# Altium PCB PCB2.PcbDoc (part 5 of 5)
Units mm, origin at the board's own origin, x right, y up, seen from the top; angles counter-clockwise.
Board outline 100 x 100 mm, 4 copper layers (Top Layer, Int1 (GND), Int2 (PWR), Bottom Layer), stack 1.605 mm thick; 304 components, 271 nets, 993 pads, 338 vias.
Unrouted connection lines stored in the file: 123.
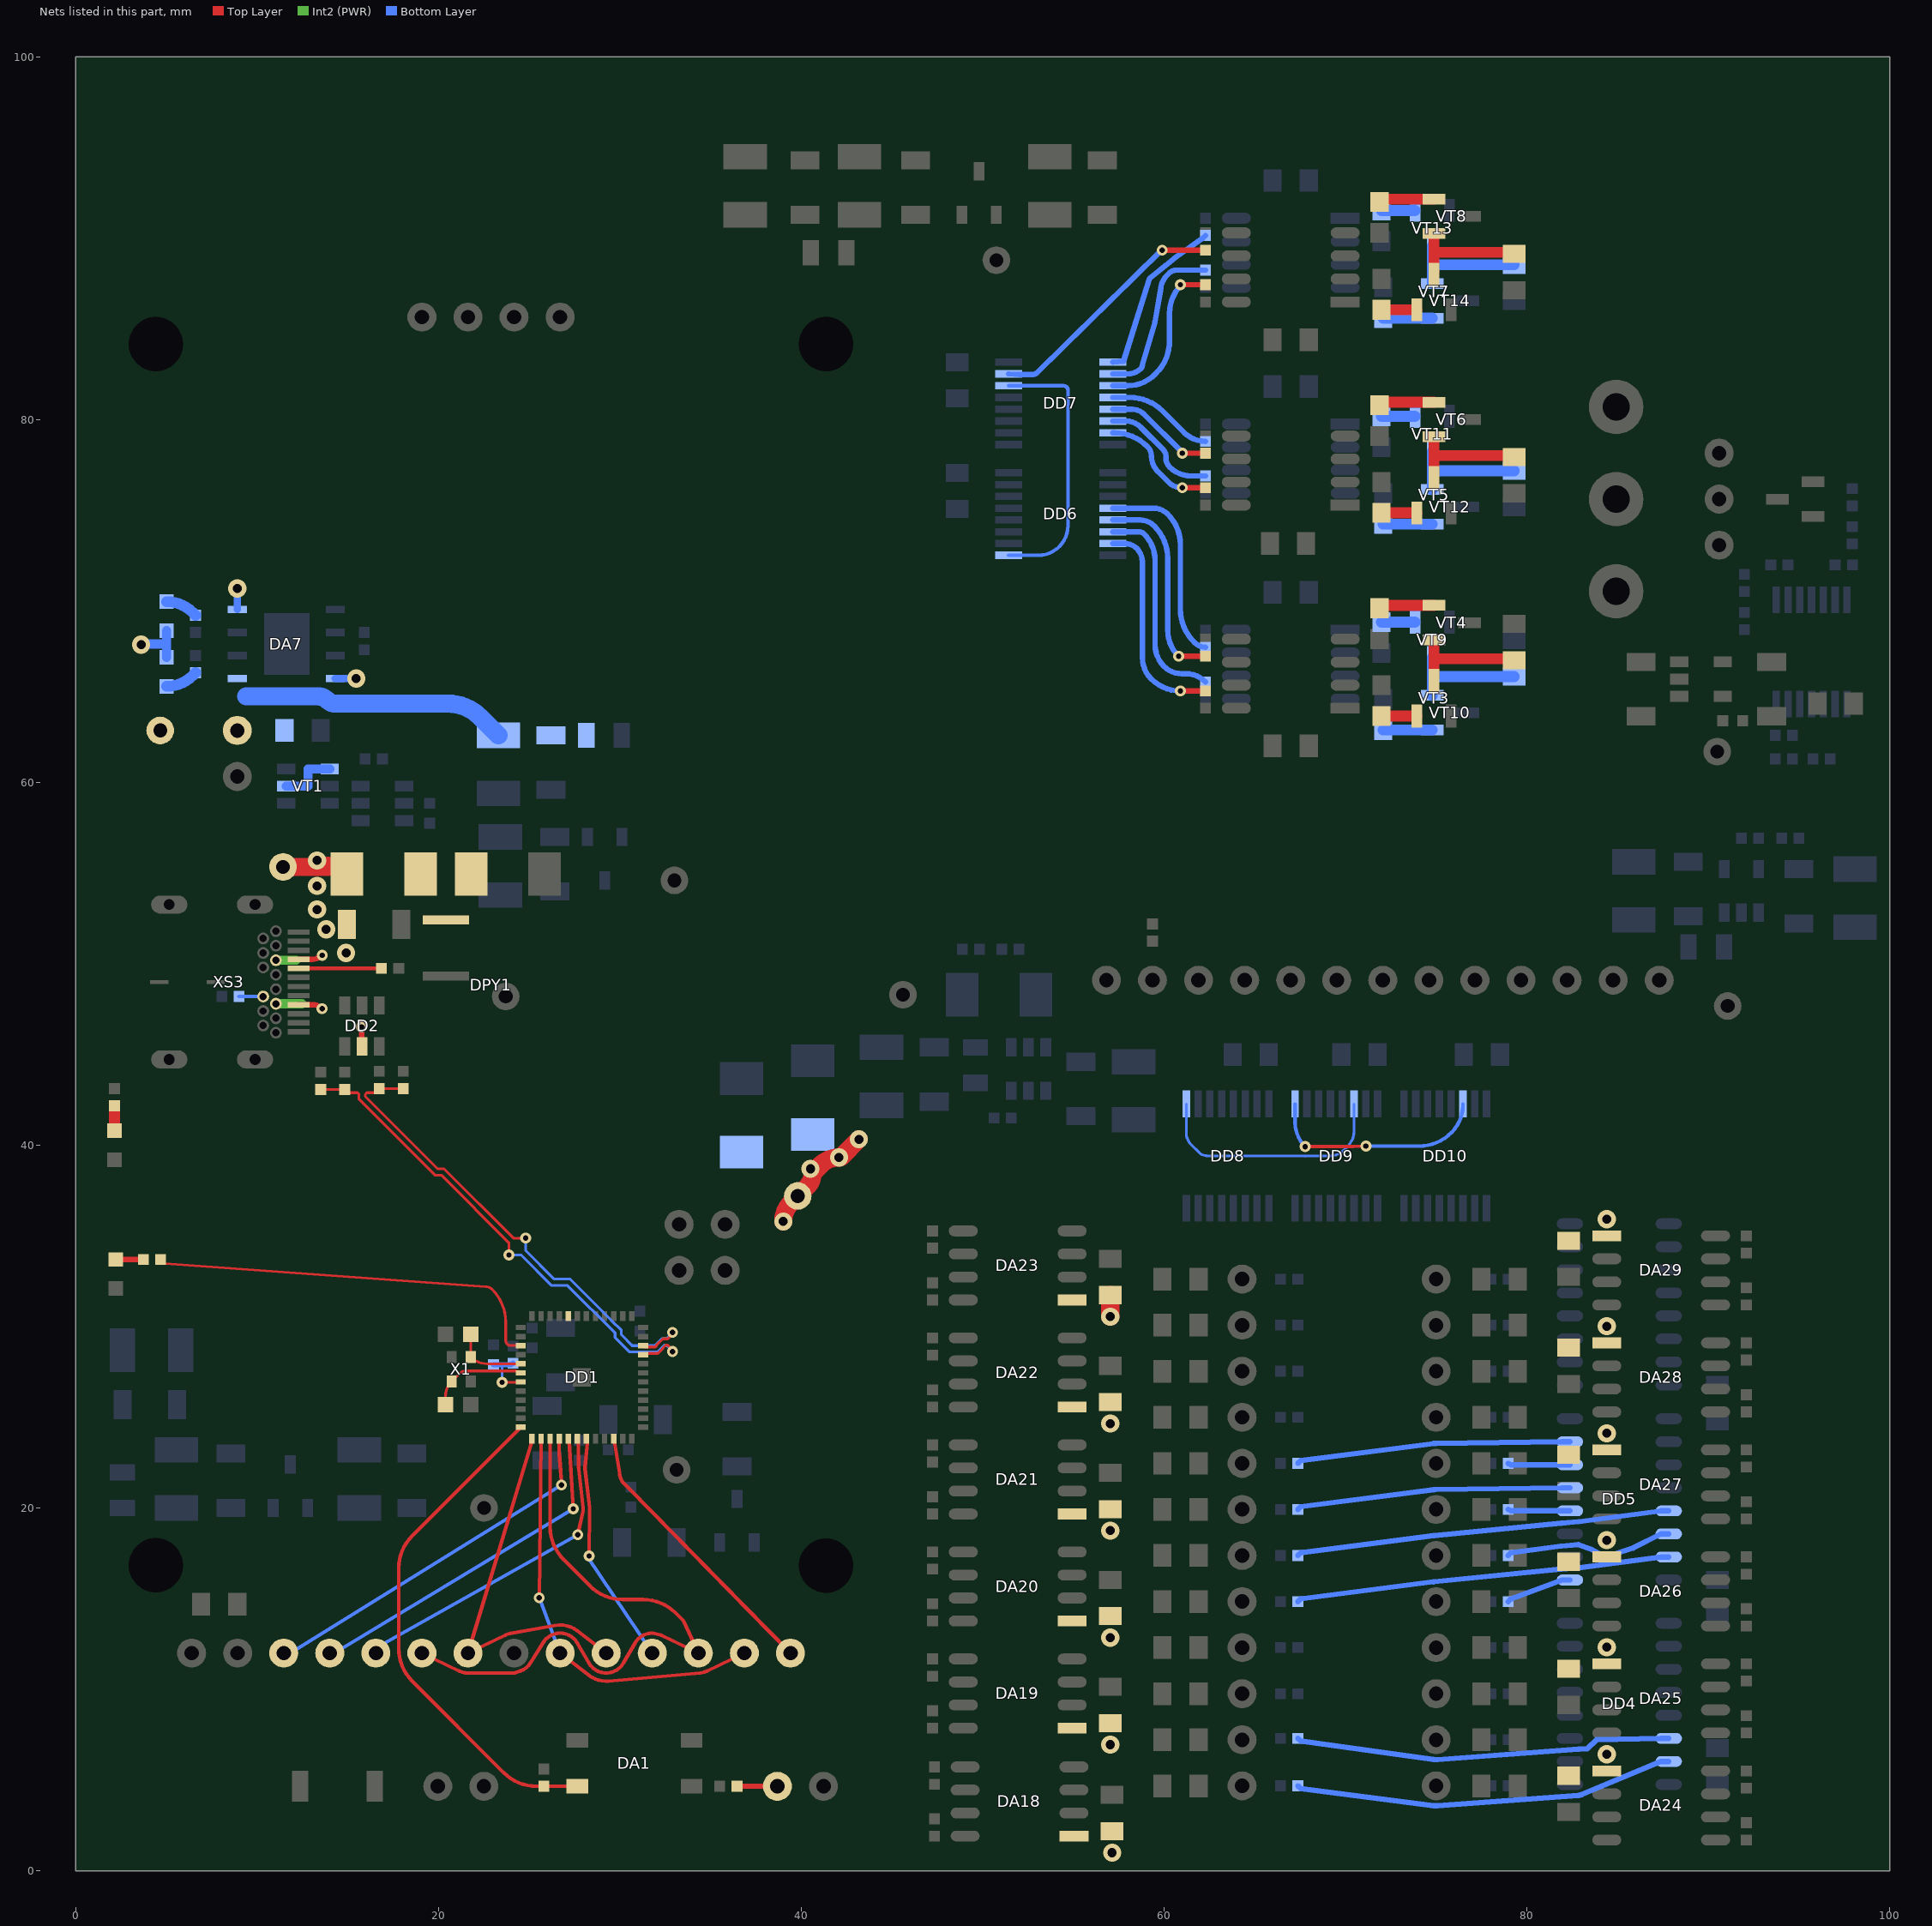
[diagram p7: the nets of this part, all layers, seen from the top]

## Via types
v1: diameter 1, hole 0.5, Top Layer to Bottom Layer, 163 vias
v2: diameter 0.6, hole 0.3, Top Layer to Bottom Layer, tented both sides, 102 vias
v3: diameter 0.8, hole 0.4, Top Layer to Bottom Layer, tented both sides, 73 vias

## Nets (pads, with @x,y where several pads share a name; then routed paths per layer and width w, separated by ;. In a path a pad name is that pad's centre, name@x,y a point inside that pad or via, vN(x,y) a via of type N, cw(c..) or ccw(c..) an arc to the next point about the centre after c; other vN are vias at no path point) (continued)
NetDD4_14: DD4.14 R58.2 | length 22.7
  Bottom Layer w0.3: R58.2@67.375,7.3 67.525,7.15 74.848,6.13 ; DD4.14@87.825,7.295 87.4,7.295 83.838,7.217 83.317,6.719 82.844,6.697 ; 74.848,6.131 ccw(c75,7.22) 75.081,6.123 ; 74.848,6.131 ccw(c75,7.22) 75.081,6.123 ; 74.848,6.131 ccw(c75,7.22) 75.081,6.123 ; 74.848,6.131 ccw(c75,7.22) 75.081,6.123 ; 74.848,6.131 ccw(c75,7.22) 75.081,6.123 ; 74.848,6.131 ccw(c75,7.22) 75.081,6.123 ; 74.848,6.131 ccw(c75,7.22) 75.081,6.123 ; 74.848,6.131 ccw(c75,7.22) 75.081,6.123 ; 75.081,6.123 82.844,6.697 ; 82.844,6.697 ccw(c82.8,7.295) 82.878,6.7 ; 82.844,6.697 ccw(c82.8,7.295) 82.878,6.7 ; 82.844,6.697 ccw(c82.8,7.295) 82.878,6.7 ; 82.844,6.697 ccw(c82.8,7.295) 82.878,6.7 ; 82.844,6.697 ccw(c82.8,7.295) 82.878,6.7 ; 82.844,6.697 ccw(c82.8,7.295) 82.878,6.7 ; 82.844,6.697 ccw(c82.8,7.295) 82.878,6.7 ; 82.844,6.697 ccw(c82.8,7.295) 82.878,6.7
NetDD4_15: DD4.15 R59.2 | length 23.9
  Bottom Layer w0.3: R59.2@67.375,4.68 67.525,4.53 74.86,3.589 ; DD4.15@87.825,6.025 87.4,6.025 83.031,4.201 ; 74.86,3.589 ccw(c75,4.68) 75.081,3.583 ; 74.86,3.589 ccw(c75,4.68) 75.081,3.583 ; 74.86,3.589 ccw(c75,4.68) 75.081,3.583 ; 74.86,3.589 ccw(c75,4.68) 75.081,3.583 ; 74.86,3.589 ccw(c75,4.68) 75.081,3.583 ; 74.86,3.589 ccw(c75,4.68) 75.081,3.583 ; 74.86,3.589 ccw(c75,4.68) 75.081,3.583 ; 74.86,3.589 ccw(c75,4.68) 75.081,3.583 ; 75.081,3.583 82.844,4.157 ; 82.844,4.157 ccw(c82.8,4.755) 83.031,4.201 ; 82.844,4.157 ccw(c82.8,4.755) 83.031,4.201 ; 82.844,4.157 ccw(c82.8,4.755) 83.031,4.201 ; 82.844,4.157 ccw(c82.8,4.755) 83.031,4.201 ; 82.844,4.157 ccw(c82.8,4.755) 83.031,4.201 ; 82.844,4.157 ccw(c82.8,4.755) 83.031,4.201 ; 82.844,4.157 ccw(c82.8,4.755) 83.031,4.201 ; 82.844,4.157 ccw(c82.8,4.755) 83.031,4.201
NetDD5_1: DD5.1 R64.2 | length 3.6
  Bottom Layer w0.3: R64.2@78.975,14.84 79.125,14.99 81.95,16.03 DD5.1@82.375,16.03
NetDD5_4: DD5.4 R66.2 | length 3.4
  Bottom Layer w0.3: R66.2@78.975,19.92 79.125,19.84 DD5.4@82.375,19.84
NetDD5_5: DD5.5 R53.2 | length 16
  Bottom Layer w0.3: R53.2@67.375,19.92 67.525,20.07 74.86,21.011 ; DD5.5@82.375,21.11 81.95,21.11 74.986,21.02 ; 74.86,21.011 cw(c75,19.92) 74.986,21.02 ; 74.86,21.011 cw(c75,19.92) 74.986,21.02 ; 74.86,21.011 cw(c75,19.92) 74.986,21.02 ; 74.86,21.011 cw(c75,19.92) 74.986,21.02 ; 74.86,21.011 cw(c75,19.92) 74.986,21.02 ; 74.86,21.011 cw(c75,19.92) 74.986,21.02 ; 74.86,21.011 cw(c75,19.92) 74.986,21.02 ; 74.86,21.011 cw(c75,19.92) 74.986,21.02
NetDD5_6: DD5.6 R67.2 | length 3.4
  Bottom Layer w0.3: R67.2@78.975,22.46 79.125,22.38 DD5.6@82.375,22.38
NetDD5_7: DD5.7 R52.2 | length 16
  Bottom Layer w0.3: R52.2@67.375,22.46 67.525,22.61 74.86,23.551 ; DD5.7@82.375,23.65 81.95,23.65 74.986,23.56 ; 74.86,23.551 cw(c75,22.46) 74.986,23.56 ; 74.86,23.551 cw(c75,22.46) 74.986,23.56 ; 74.86,23.551 cw(c75,22.46) 74.986,23.56 ; 74.86,23.551 cw(c75,22.46) 74.986,23.56 ; 74.86,23.551 cw(c75,22.46) 74.986,23.56 ; 74.86,23.551 cw(c75,22.46) 74.986,23.56 ; 74.86,23.551 cw(c75,22.46) 74.986,23.56 ; 74.86,23.551 cw(c75,22.46) 74.986,23.56
NetDD5_13: DD5.13 R54.2 | length 20.9
  Bottom Layer w0.3: R54.2@67.375,17.38 67.525,17.53 74.86,18.471 cw(c75,17.38) 74.892,18.475 81.891,19.167 cw(c81.95,18.57) 81.903,19.168 82.847,19.242 ; DD5.13@87.825,19.84 87.4,19.84 82.878,19.245 ; 82.847,19.242 ccw(c82.8,19.84) 82.878,19.245 ; 82.847,19.242 ccw(c82.8,19.84) 82.878,19.245 ; 82.847,19.242 ccw(c82.8,19.84) 82.878,19.245 ; 82.847,19.242 ccw(c82.8,19.84) 82.878,19.245 ; 82.847,19.242 ccw(c82.8,19.84) 82.878,19.245 ; 82.847,19.242 ccw(c82.8,19.84) 82.878,19.245 ; 82.847,19.242 ccw(c82.8,19.84) 82.878,19.245 ; 82.847,19.242 ccw(c82.8,19.84) 82.878,19.245
NetDD5_14: DD5.14 R65.2 | length 9.3
  Bottom Layer w0.3: R65.2@78.975,17.38 79.125,17.53 81.871,17.895 cw(c81.95,17.3) 81.903,17.898 82.848,17.972 83.524,17.734 83.979,17.476 84.285,17.409 84.73,17.424 85.867,17.797 87.4,18.57 DD5.14@87.825,18.57
NetDD5_15: DD5.15 R55.2 | length 20.9
  Bottom Layer w0.3: R55.2@67.375,14.84 67.525,14.99 74.86,15.931 cw(c75,14.84) 74.892,15.935 81.891,16.627 cw(c81.95,16.03) 81.904,16.628 82.847,16.702 ; DD5.15@87.825,17.3 87.4,17.3 82.878,16.705 ; 82.847,16.702 ccw(c82.8,17.3) 82.878,16.705 ; 82.847,16.702 ccw(c82.8,17.3) 82.878,16.705 ; 82.847,16.702 ccw(c82.8,17.3) 82.878,16.705 ; 82.847,16.702 ccw(c82.8,17.3) 82.878,16.705 ; 82.847,16.702 ccw(c82.8,17.3) 82.878,16.705 ; 82.847,16.702 ccw(c82.8,17.3) 82.878,16.705 ; 82.847,16.702 ccw(c82.8,17.3) 82.878,16.705 ; 82.847,16.702 ccw(c82.8,17.3) 82.878,16.705
NetDD6_9: DD6.9 DD7.14 | length 18.1
  Bottom Layer w0.2: DD6.9@51.425,72.525 53.06,72.525 ; DD7.14@51.425,81.875 54.454,81.875 ; 53.06,72.525 ccw(c53.06,74.165) 54.7,74.165 ; 53.06,72.525 ccw(c53.06,74.165) 54.7,74.165 ; 54.454,81.875 cw(c54.454,81.629) 54.7,81.629 ; 54.454,81.875 cw(c54.454,81.629) 54.7,81.629 ; 54.7,74.165 54.7,81.629
NetDD8_9: DD8.9 DD9.14 | length 23.3
  Bottom Layer w0.15: DD8.9@61.225,42.275 61.225,40.654 ccw(c62.079,40.654) 61.475,40.05 61.941,39.584 ; 62.326,39.425 67.773,39.4 ccw(c67.775,39.925) 67.781,39.4 69.2,39.417 ccw(c69.2,40.364) 69.223,39.417 ccw(c69.2,40.364) 69.869,39.694 70.125,39.95 ; DD9.14@70.475,42.275 70.475,40.795 ; 61.941,39.584 ccw(c62.325,39.968) 62.325,39.425 ; 61.941,39.584 ccw(c62.325,39.968) 62.325,39.425 ; 61.941,39.584 ccw(c62.325,39.968) 62.325,39.425 ; 61.941,39.584 ccw(c62.325,39.968) 62.325,39.425 ; 61.941,39.584 ccw(c62.325,39.968) 62.325,39.425 ; 61.941,39.584 ccw(c62.325,39.968) 62.325,39.425 ; 61.941,39.584 ccw(c62.325,39.968) 62.325,39.425 ; 61.941,39.584 ccw(c62.325,39.968) 62.325,39.425 ; 70.125,39.95 ccw(c69.28,40.795) 70.475,40.795 ; 70.125,39.95 ccw(c69.28,40.795) 70.475,40.795 ; 70.125,39.95 ccw(c69.28,40.795) 70.475,40.795 ; 70.125,39.95 ccw(c69.28,40.795) 70.475,40.795 ; 70.125,39.95 ccw(c69.28,40.795) 70.475,40.795 ; 70.125,39.95 ccw(c69.28,40.795) 70.475,40.795 ; 70.125,39.95 ccw(c69.28,40.795) 70.475,40.795 ; 70.125,39.95 ccw(c69.28,40.795) 70.475,40.795
NetDD9_9: DD9.9 DD10.14 | length 48.6
  Top Layer w0.2: v2(67.775,39.925) 70.43,39.925 ccw(c70.43,40.125) 70.438,39.925 v2(71.13,39.95)
  Bottom Layer w0.2: DD9.9@67.225,42.275 67.225,41.61 67.225,41.253 ; v2(71.13,39.95) 74.048,39.95 ; DD10.14@76.475,42.275 DD10.14@76.475,42.217 ; 67.225,41.253 ccw(c69.103,41.253) v2@67.775,39.925 ; 67.225,41.253 ccw(c69.103,41.253) v2@67.775,39.925 ; 67.225,41.253 ccw(c69.103,41.253) v2@67.775,39.925 ; 67.225,41.253 ccw(c69.103,41.253) v2@67.775,39.925 ; 67.225,41.253 ccw(c69.103,41.253) v2@67.775,39.925 ; 67.225,41.253 ccw(c69.103,41.253) v2@67.775,39.925 ; 67.225,41.253 ccw(c69.103,41.253) v2@67.775,39.925 ; 67.225,41.253 ccw(c69.103,41.253) v2@67.775,39.925 ; 74.048,39.95 ccw(c74.048,42.49) 75.844,40.694 ; 74.048,39.95 ccw(c74.048,42.49) 75.844,40.694 ; 74.048,39.95 ccw(c74.048,42.49) 75.844,40.694 ; 74.048,39.95 ccw(c74.048,42.49) 75.844,40.694 ; 74.048,39.95 ccw(c74.048,42.49) 75.844,40.694 ; 74.048,39.95 ccw(c74.048,42.49) 75.844,40.694 ; 74.048,39.95 ccw(c74.048,42.49) 75.844,40.694 ; 74.048,39.95 ccw(c74.048,42.49) 75.844,40.694 ; 75.844,40.694 ccw(c74.32,42.217) DD10.14@76.475,42.217 ; 75.844,40.694 ccw(c74.32,42.217) DD10.14@76.475,42.217 ; 75.844,40.694 ccw(c74.32,42.217) DD10.14@76.475,42.217 ; 75.844,40.694 ccw(c74.32,42.217) DD10.14@76.475,42.217 ; 75.844,40.694 ccw(c74.32,42.217) DD10.14@76.475,42.217 ; 75.844,40.694 ccw(c74.32,42.217) DD10.14@76.475,42.217 ; 75.844,40.694 ccw(c74.32,42.217) DD10.14@76.475,42.217 ; 75.844,40.694 ccw(c74.32,42.217) DD10.14@76.475,42.217
NetFU1_1: FU1.1 VD4.2 VD5.2
NetHL1_2: HL1.2 R4.2 | length 1.5
  Top Layer w0.3: HL1.2@2.2,33.7 2.45,33.7 R4.2@3.725,33.7
NetHL2_2: HL2.2 R5.1 | length 1.8
  Bottom Layer w0.6: HL2.2@5,69.97 cw(c5,67.918) 6.451,69.369 R5.1@6.6,69.22
NetHL3_2: HL3.2 R6.1 | length 1.8
  Bottom Layer w0.6: HL3.2@5,65.3 ccw(c5,67.352) 6.451,65.901 R6.1@6.6,66.05
NetHL4_2: HL4.2 R21.2 | length 1.4
  Top Layer w0.6: HL4.2@2.125,40.8 R21.2@2.125,42.175
NetR2_2: R2.2 XS18.2 | length 2.2
  Top Layer w0.3: R2.2@36.45,4.655 XS18.2@38.68,4.655
NetR16_1: R16.1 XS3.B5 | length 1.3
  Bottom Layer w0.2: R16.1@9,48.2 XS3.B5@10.33,48.2
NetR18_1: R18.1 XS3.A5 | length 4.6
  Top Layer w0.2: XS3.A5@12.28,49.75 R18.1@16.85,49.75
NetR47_1: R47.1 VT3.1 | length 2
  Top Layer w0.6: R47.1@71.982,63.665 VT3.1@73.932,63.665
NetR88_1: R88.1 VT4.1 | length 3.1
  Top Layer w0.6: R88.1@71.882,69.605 72.082,69.765 VT4.1@74.882,69.765
NetR90_1: R90.1 VT5.1 | length 2
  Top Layer w0.6: R90.1@71.982,74.865 VT5.1@73.932,74.865
NetR92_1: R92.1 VT6.1 | length 3.1
  Top Layer w0.6: R92.1@71.882,80.805 72.082,80.965 VT6.1@74.882,80.965
NetR94_1: R94.1 VT7.1 | length 2
  Top Layer w0.6: R94.1@71.982,86.065 VT7.1@73.932,86.065
NetR96_1: R96.1 VT8.1 | length 3.1
  Top Layer w0.6: R96.1@71.882,92.005 72.082,92.165 VT8.1@74.882,92.165
NetR98_1: R98.1 VT9.1 | length 1.8
  Bottom Layer w0.6: R98.1@71.982,68.84 VT9.1@73.832,68.84
NetR100_1: R100.1 VT10.1 | length 2.7
  Bottom Layer w0.6: R100.1@72.082,62.9 VT10.1@74.782,62.9
NetR102_1: R102.1 VT11.1 | length 1.8
  Bottom Layer w0.6: R102.1@71.982,80.19 VT11.1@73.832,80.19
NetR104_1: R104.1 VT12.1 | length 2.7
  Bottom Layer w0.6: R104.1@72.082,74.25 VT12.1@74.782,74.25
NetR106_1: R106.1 VT13.1 | length 1.8
  Bottom Layer w0.6: R106.1@71.982,91.54 VT13.1@73.832,91.54
NetR108_1: R108.1 VT14.1 | length 2.7
  Bottom Layer w0.6: R108.1@72.082,85.6 VT14.1@74.782,85.6
NetVT1_2: VT1.2 VT1.4 | length 3.4
  Bottom Layer w0.5: VT1.2@11.6,59.8 12.8,59.8 12.8,60.75 VT1.4@14,60.75
OPT_IN: DA1.4 DD1.12 R1.2 | length 32.3
  Top Layer w0.2: DD1.12@24.525,24.45 18.544,18.469 ; DA1.4@27.65,4.655 R1.2@25.8,4.655 25.397,4.655 ; 17.8,16.673 cw(c20.34,16.673) 18.544,18.469 ; 17.8,16.673 cw(c20.34,16.673) 18.544,18.469 ; 17.8,16.673 17.8,12.252 ccw(c20.34,12.252) 18.544,10.456 23.601,5.399 ; 23.601,5.399 ccw(c25.397,7.195) 25.397,4.655 ; 23.601,5.399 ccw(c25.397,7.195) 25.397,4.655
PC13: DD1.3 R4.1 | length 24.9
  Top Layer w0.15: R4.1@4.675,33.7 4.9,33.475 22.6,32.2 cw(c22.6,31.717) 22.941,32.059 22.956,32.044 ; DD1.3@24.525,28.95 ccw(c24.496,28.921) 24.496,28.962 23.962,28.962 ; 22.956,32.044 cw(c21.16,30.248) 23.7,30.248 ; 22.956,32.044 cw(c21.16,30.248) 23.7,30.248 ; 23.7,29.235 ccw(c23.981,29.235) 23.782,29.037 ; 23.7,29.235 ccw(c23.981,29.235) 23.782,29.037 ; 23.7,29.235 23.7,30.248 ; 23.782,29.037 ccw(c23.962,29.217) 23.962,28.962 ; 23.782,29.037 ccw(c23.962,29.217) 23.962,28.962
PF0: C7.1 DD1.5 X1.3 | length 5.1
  Top Layer w0.15: C7.1@21.775,29.575 X1.3@21.775,28.325 ; DD1.5@24.525,27.95 22.68,27.95 ; X1.3@21.775,28.325 ccw(c22.68,29.23) 22.68,27.95 ; X1.3@21.775,28.325 ccw(c22.68,29.23) 22.68,27.95
PF1: C9.1 DD1.6 X1.1 | length 7
  Top Layer w0.15: C9.1@20.375,25.7 20.375,26.13 ; 20.375,26.13 cw(c21.57,26.13) X1.1@20.725,26.975 ; 20.375,26.13 cw(c21.57,26.13) X1.1@20.725,26.975 ; X1.1@20.725,26.975 21.176,27.426 ; 21.176,27.426 cw(c21.475,27.127) 21.475,27.55 ; 21.176,27.426 cw(c21.475,27.127) 21.475,27.55 ; 21.475,27.55 DD1.6@24.284,27.55 ; DD1.6@24.284,27.55 cw(c24.284,27.209) DD1.6@24.525,27.45 ccw(c24.284,27.209) DD1.6@24.284,27.55
R_HIN1: DD6.5 R87.2 | length 14.3
  Top Layer w0.3: v2(60.8,66.955) R87.2@62.282,66.955
  Bottom Layer w0.3: DD6.5@57.175,74.475 58.657,74.475 ; v2(60.8,66.955) cw(c62.249,68.404) 60.2,68.404 60.2,72.348 ; 58.657,74.475 cw(c58.657,73.345) 59.456,74.144 ; 58.657,74.475 cw(c58.657,73.345) 59.456,74.144 ; 59.456,74.144 cw(c57.66,72.348) 60.2,72.348 ; 59.456,74.144 cw(c57.66,72.348) 60.2,72.348
R_HIN2: DD7.5 R91.2 | length 6.8
  Top Layer w0.3: v2(61,78.155) R91.2@62.282,78.155
  Bottom Layer w0.3: DD7.5@57.175,80.575 58.236,80.575 ; v2(61,78.155) ccw(c60.891,78.155) 60.968,78.232 58.9,80.3 ; 58.236,80.575 cw(c58.236,79.636) 58.9,80.3 ; 58.236,80.575 cw(c58.236,79.636) 58.9,80.3
R_HIN3: DD7.15 R95.2 | length 13.6
  Top Layer w0.3: v2(59.9,89.355) R95.2@62.282,89.355
  Bottom Layer w0.3: DD7.15@51.425,82.525 52.015,82.5 52.777,82.5 ccw(c52.777,82.8) 52.988,82.586 v2@59.861,89.362
R_HIN4: DD6.6 R99.2 | length 17.4
  Bottom Layer w0.3: DD6.6@57.175,73.825 58.598,73.825 ; 58.598,73.825 cw(c58.598,73.398) 58.9,73.7 ; 58.598,73.825 cw(c58.598,73.398) 58.9,73.7 ; 58.9,73.7 cw(c57.451,72.251) 59.5,72.251 ; 58.9,73.7 cw(c57.451,72.251) 59.5,72.251 ; 59.5,67.607 ccw(c61.207,67.607) 60,66.4 ; 59.5,67.607 ccw(c61.207,67.607) 60,66.4 ; 59.5,67.607 59.5,72.251 ; 60,66.4 ccw(c60.966,67.366) 60.966,66 ; 60,66.4 ccw(c60.966,67.366) 60.966,66 ; 60.966,66 61.195,66 ; 61.195,66 cw(c61.195,64.464) R99.2@62.282,65.55 ccw(c61.195,64.464) 61.195,66
R_HIN5: DD7.6 R103.2 | length 8.4
  Bottom Layer w0.3: DD7.6@57.175,79.925 57.915,79.925 cw(c57.915,78.815) 58.7,79.6 59.959,78.341 cw(c59.617,78) 60.1,78 60.1,77.883 ; R103.2@62.282,76.9 61.507,76.9 ; 60.1,77.883 ccw(c60.783,77.883) 60.3,77.4 ; 60.1,77.883 ccw(c60.783,77.883) 60.3,77.4 ; 60.3,77.4 ccw(c61.507,78.607) 61.507,76.9 ; 60.3,77.4 ccw(c61.507,78.607) 61.507,76.9
R_HIN6: DD7.2 R107.2 | length 10.7
  Bottom Layer w0.3: DD7.2@57.175,82.525 57.995,82.525 ; 59.503,85.416 59.8,87.1 cw(c61.008,87.1) 60.153,87.953 60.3,88.1 ; R107.2@62.282,88.25 60.662,88.25 ; 57.995,82.525 ccw(c57.995,83.564) 58.729,82.829 ; 57.995,82.525 ccw(c57.995,83.564) 58.729,82.829 ; 58.729,82.829 ccw(c58.559,83) 58.8,83 ; 58.729,82.829 ccw(c58.559,83) 58.8,83 ; 58.8,83 59.495,85.384 ; 59.495,85.384 ccw(c59.207,85.468) 59.503,85.415 cw(c59.207,85.468) 59.495,85.384 ; 60.3,88.1 cw(c60.662,87.738) 60.662,88.25 ; 60.3,88.1 cw(c60.662,87.738) 60.662,88.25
R_LIN1: DD6.7 R46.2 | length 13.5
  Top Layer w0.3: v2(60.9,65.045) R46.2@62.282,65.045
  Bottom Layer w0.3: DD6.7@57.175,73.175 DD6.7@57.836,73.175 ; v2(60.9,65.045) cw(c60.9,67.326) 59.287,65.713 cw(c60.462,66.888) 58.8,66.888 58.8,72.176 ; DD6.7@57.836,73.175 cw(c57.836,72.236) 58.5,72.9 ; DD6.7@57.836,73.175 cw(c57.836,72.236) 58.5,72.9 ; 58.5,72.9 cw(c57.776,72.176) 58.8,72.176 ; 58.5,72.9 cw(c57.776,72.176) 58.8,72.176
R_LIN2: DD7.7 R89.2 | length 10.1
  Top Layer w0.3: v2(61,76.245) R89.2@62.282,76.245
  Bottom Layer w0.3: DD7.7@57.175,79.275 DD7.7@57.273,79.275 ; v2(61,76.245) cw(c61,77.319) 60.24,76.56 59.654,77.146 ; DD7.7@57.273,79.275 cw(c57.273,76.735) 59.069,78.531 ; DD7.7@57.273,79.275 cw(c57.273,76.735) 59.069,78.531 ; 59.069,78.531 59.088,78.512 ; 59.088,78.512 cw(c58.576,78) 59.3,78 ; 59.088,78.512 cw(c58.576,78) 59.3,78 ; 59.3,78 ccw(c60.507,78) 59.653,77.147 ; 59.3,78 ccw(c60.507,78) 59.653,77.147
R_LIN3: DD7.3 R93.2 | length 12.6
  Top Layer w0.3: v2(60.9,87.445) R93.2@62.282,87.445
  Bottom Layer w0.3: DD7.3@57.175,81.875 57.991,81.875 ; 57.991,81.875 ccw(c57.991,84.009) 59.5,82.5 ; 57.991,81.875 ccw(c57.991,84.009) 59.5,82.5 ; 59.5,82.5 59.556,82.556 ccw(c57.76,84.352) 60.3,84.352 60.3,85.877 ; 60.3,85.877 cw(c62.502,85.877) 60.945,87.434 ccw(c62.502,85.877) 60.3,85.877
R_LIN4: DD6.4 R97.2 | length 16
  Bottom Layer w0.3: DD6.4@57.175,75.125 59.415,75.125 ; R97.2@62.282,67.46 cw(c62.282,68.284) 61.699,67.701 61.644,67.756 ; 59.415,75.125 cw(c59.415,74.015) 60.2,74.8 ; 59.415,75.125 cw(c59.415,74.015) 60.2,74.8 ; 60.2,74.8 cw(c58.51,73.11) 60.9,73.11 ; 60.2,74.8 cw(c58.51,73.11) 60.9,73.11 ; 60.9,69.552 ccw(c63.44,69.552) 61.644,67.756 ; 60.9,69.552 ccw(c63.44,69.552) 61.644,67.756 ; 60.9,69.552 60.9,73.11
R_LIN5: DD7.4 R101.2 | length 5.9
  Bottom Layer w0.3: DD7.4@57.175,81.225 58.123,81.225 cw(c58.123,78.685) 59.919,80.481 61.101,79.299 ccw(c62.282,80.48) R101.2@62.282,78.81
R_LIN6: DD7.1 R105.2 | length 9.4
  Bottom Layer w0.3: DD7.1@57.175,83.175 57.765,83.23 59.173,87.713 ; R105.2@62.282,90.16 62.132,90.01 60.71,89.007 ccw(c60.882,88.762) 60.695,88.996 60.062,88.49 ccw(c60.662,87.738) 60.061,88.489 59.271,87.857 ; 59.173,87.713 cw(c59.459,87.623) 59.271,87.857 ; 59.173,87.713 cw(c59.459,87.623) 59.271,87.857
RLC_O1: R82.1 VT3.3 VT4.2 | length 6.6
  Top Layer w0.6: VT3.3@74.882,65.785 74.882,66.825 ; VT4.2@74.882,67.865 74.882,66.825 ; R82.1@79.4,66.825 74.882,66.825
RLC_O2: R83.1 VT5.3 VT6.2 | length 6.6
  Top Layer w0.6: VT5.3@74.882,76.985 74.882,78.025 ; VT6.2@74.882,79.065 74.882,78.025 ; R83.1@79.4,78.025 74.882,78.025
RLC_O3: R84.1 VT7.3 VT8.2 | length 6.6
  Top Layer w0.6: VT7.3@74.882,88.185 74.882,89.225 ; VT8.2@74.882,90.265 74.882,89.225 ; R84.1@79.4,89.225 74.882,89.225
RLC_O4: R77.2 VT9.3 VT10.2 | length 6.6
  Bottom Layer w0.6: VT10.2@74.782,64.8 74.782,65.84 ; VT9.3@74.782,66.88 74.782,65.84 ; R77.2@79.3,65.84 74.782,65.84
RLC_O5: R76.2 VT11.3 VT12.2 | length 6.6
  Bottom Layer w0.6: VT12.2@74.782,76.15 74.782,77.19 ; VT11.3@74.782,78.23 74.782,77.19 ; R76.2@79.3,77.19 74.782,77.19
RLC_O6: R75.2 VT13.3 VT14.2 | length 6.6
  Bottom Layer w0.6: VT14.2@74.782,87.5 74.782,88.54 ; VT13.3@74.782,89.58 74.782,88.54 ; R75.2@79.3,88.54 74.782,88.54
RST: C4.1 DD1.7 R3.2 | length 3.4
  Top Layer w0.15: v2(23.5,26.925) 24.325,26.925 DD1.7@24.525,26.95
  Bottom Layer w0.15: v2(23.5,26.925) 23.5,27.84 ; 23.5,27.84 ccw(c23.415,27.84) 23.475,27.9 cw(c23.415,27.84) 23.5,27.84
  Bottom Layer w0.3: C4.1@23.025,27.9 23.475,27.9 R3.2@23.919,27.9 ; R3.2@23.919,27.9 ccw(c23.919,28.156) R3.2@24.1,27.975 cw(c23.919,28.156) R3.2@23.919,27.9
SD_CS: DD1.44
SPI1_MISO: DD1.14 DPY1.9 DPY1.13 | length 33.8
  Top Layer w0.2: v2(25.55,15.05) 25.65,23.7 DD1.14@25.65,23.825 ; DPY1.9@26.7,12 28.294,10.772 ; DPY1.13@36.86,12 34.796,11.009 ; 28.294,10.772 ccw(c29.24,12) 29.377,10.456 ; 28.294,10.772 ccw(c29.24,12) 29.377,10.456 ; 28.294,10.772 ccw(c29.24,12) 29.377,10.456 ; 28.294,10.772 ccw(c29.24,12) 29.377,10.456 ; 28.294,10.772 ccw(c29.24,12) 29.377,10.456 ; 28.294,10.772 ccw(c29.24,12) 29.377,10.456 ; 28.294,10.772 ccw(c29.24,12) 29.377,10.456 ; 28.294,10.772 ccw(c29.24,12) 29.377,10.456 ; 29.377,10.456 34.417,10.904 ; 34.417,10.904 ccw(c34.32,12) 34.796,11.009 ; 34.417,10.904 ccw(c34.32,12) 34.796,11.009 ; 34.417,10.904 ccw(c34.32,12) 34.796,11.009 ; 34.417,10.904 ccw(c34.32,12) 34.796,11.009 ; 34.417,10.904 ccw(c34.32,12) 34.796,11.009 ; 34.417,10.904 ccw(c34.32,12) 34.796,11.009 ; 34.417,10.904 ccw(c34.32,12) 34.796,11.009 ; 34.417,10.904 ccw(c34.32,12) 34.796,11.009
  Bottom Layer w0.2: v2(25.55,15.05) DPY1.9@26.7,12
SPI1_MOSI: DD1.15 DPY1.6 DPY1.12 | length 44.9
  Top Layer w0.2: DPY1.6@19.08,12 21.144,11.009 ccw(c21.62,12) 21.62,10.9 24.158,10.9 ; DD1.15@26.15,23.825 26.15,18.952 ; 32.258,12.991 DPY1.12@34.32,12 33.5,13.775 33.069,14.206 ; 24.158,10.9 ccw(c24.158,11.1) 24.223,10.911 ; 24.158,10.9 ccw(c24.158,11.1) 24.223,10.911 ; 24.223,10.911 24.505,11.008 ccw(c24.16,12) 25.049,11.441 25.742,12.542 ccw(c25.573,12.648) 25.746,12.548 25.747,12.55 ; 25.747,12.55 cw(c26.7,12) 26.7,13.1 ; 25.747,12.55 cw(c26.7,12) 26.7,13.1 ; 26.15,18.952 ccw(c28.69,18.952) 26.894,17.156 ; 26.15,18.952 ccw(c28.69,18.952) 26.894,17.156 ; 26.7,13.1 cw(c26.7,12) 27.653,12.55 28.287,11.45 ccw(c29.24,12) 28.289,11.447 ; 26.894,17.156 28.356,15.694 ; 28.289,11.447 ccw(c29.24,12) 30.193,11.45 ; 28.289,11.447 ccw(c29.24,12) 30.193,11.45 ; 28.356,15.694 ccw(c30.152,17.49) 30.152,14.95 ; 28.356,15.694 ccw(c30.152,17.49) 30.152,14.95 ; 30.152,14.95 31.273,14.95 ; 30.193,11.45 30.827,12.55 cw(c31.78,12) 31.78,13.1 cw(c31.78,12.9) 31.825,13.095 32.217,13.005 ; 31.273,14.95 cw(c31.273,12.41) 33.069,14.206 ; 31.273,14.95 cw(c31.273,12.41) 33.069,14.206 ; 32.217,13.005 cw(c32.173,12.81) 32.257,12.991 ccw(c32.173,12.81) 32.217,13.005
SPI1_SCK: DD1.13 DPY1.7 DPY1.10 | length 31.9
  Top Layer w0.2: DD1.13@25.15,23.825 25.15,23.7 DPY1.7@21.62,12 23.684,12.991 ; DPY1.10@29.24,12 27.646,13.228 ; 23.684,12.991 cw(c24.16,12) 23.965,13.083 ; 23.684,12.991 cw(c24.16,12) 23.965,13.083 ; 23.684,12.991 cw(c24.16,12) 23.965,13.083 ; 23.684,12.991 cw(c24.16,12) 23.965,13.083 ; 23.684,12.991 cw(c24.16,12) 23.965,13.083 ; 23.684,12.991 cw(c24.16,12) 23.965,13.083 ; 23.684,12.991 cw(c24.16,12) 23.965,13.083 ; 23.684,12.991 cw(c24.16,12) 23.965,13.083 ; 23.965,13.083 26.425,13.525 ; 26.425,13.525 cw(c26.7,12) 27.646,13.228 ; 26.425,13.525 cw(c26.7,12) 27.646,13.228 ; 26.425,13.525 cw(c26.7,12) 27.646,13.228 ; 26.425,13.525 cw(c26.7,12) 27.646,13.228 ; 26.425,13.525 cw(c26.7,12) 27.646,13.228 ; 26.425,13.525 cw(c26.7,12) 27.646,13.228 ; 26.425,13.525 cw(c26.7,12) 27.646,13.228 ; 26.425,13.525 cw(c26.7,12) 27.646,13.228
T_CS: DD1.19 DPY1.11 | length 13.1
  Top Layer w0.2: DD1.19@28.15,23.825 28.193,23.674 DD1.19@28.194,23.672 ; v2(28.3,17.35) 28.325,19.941 ccw(c27.425,19.95) 28.324,19.982 ccw(c27.425,19.95) 28.319,20.053 28.077,22.159 ; 28.076,22.273 ccw(c28.623,22.223) 28.077,22.159 ; 28.076,22.273 ccw(c28.623,22.223) 28.077,22.159 ; 28.076,22.273 DD1.19@28.2,23.601 ; DD1.19@28.194,23.672 cw(c28.001,23.62) DD1.19@28.2,23.601 ; DD1.19@28.194,23.672 cw(c28.001,23.62) DD1.19@28.2,23.601
  Bottom Layer w0.2: v2@28.224,17.299 DPY1.11@31.78,12
T_IRQ: DD1.22 DPY1.14 | length 16.3
  Top Layer w0.2: DD1.22@29.65,23.825 29.7,23.65 29.973,21.964 ; DPY1.14@39.4,12 30.5,21.075 30.222,21.353 ; 29.973,21.964 cw(c29.775,21.932) 29.975,21.936 ccw(c29.775,21.932) 29.973,21.963 ; 30.222,21.353 cw(c30.82,21.95) 29.975,21.935 ccw(c30.82,21.95) 30.222,21.353
TFT_CS: DD1.16 DPY1.3 | length 20.6
  Top Layer w0.2: DD1.16@26.65,23.825 26.65,22.99 ; v2(26.781,21.26) 26.7,22.365 ccw(c26.152,22.325) 26.7,22.37 26.651,22.974 ; 26.651,22.974 cw(c26.85,22.99) 26.65,22.99 ; 26.651,22.974 cw(c26.85,22.99) 26.65,22.99
  Bottom Layer w0.2: DPY1.3@11.46,12 11.728,11.937 v2(26.781,21.26)
TFT_DC: DD1.18 DPY1.5 | length 18.6
  Top Layer w0.2: DD1.18@27.65,23.825 DD1.18@27.694,23.67 ; v2(27.675,18.525) 27.962,19.832 ; DD1.18@27.695,23.669 cw(c27.502,23.616) 27.702,23.619 27.723,22.207 ; 27.723,22.207 ccw(c28.623,22.223) 27.729,22.122 ; 27.723,22.207 ccw(c28.623,22.223) 27.729,22.122 ; 27.729,22.122 27.971,20.013 cw(c27.425,19.95) 27.974,19.99 ; 27.962,19.832 ccw(c27.425,19.95) 27.974,19.99 ; 27.962,19.832 ccw(c27.425,19.95) 27.974,19.99
  Bottom Layer w0.2: DPY1.5@16.54,12 16.633,12.332 v2(27.675,18.525)
TFT_RST: DD1.17 DPY1.4 | length 19.5
  Top Layer w0.2: DD1.17@27.15,23.825 27.2,23.65 v2(27.425,19.95)
  Bottom Layer w0.2: DPY1.4@14,12 14.167,11.958 v2(27.425,19.95)
USB_N: DD1.33 R17.2 R20.2 | length 28.5
  Top Layer w0.15: R20.2@13.5,43.075 R17.2@14.825,43.075 15,42.9 15.522,42.9 15.61,42.812 15.61,42.543 19.801,38.353 20.15,38.353 23.875,34.628 v2(23.875,33.95) ; DD1.33@31.275,28.45 31.35,28.525 31.563,28.525 32.088,28.525 32.375,28.812 32.375,28.842 32.508,28.975 32.632,28.975 32.9,28.707 v2(32.9,28.625)
  Bottom Layer w0.15: v2(23.875,33.95) 24.552,33.95 26.236,32.267 27.113,32.267 29.725,29.655 29.725,29.405 30.53,28.6 32.075,28.6 32.45,28.975 32.574,28.975 32.9,28.649 v2(32.9,28.625)
USB_P: DD1.34 R15.2 R19.2 | length 27.9
  Top Layer w0.15: R19.2@18.05,43.125 R15.2@16.725,43.125 16.5,42.9 16.048,42.9 15.96,42.812 15.96,42.688 19.946,38.703 20.295,38.703 24.122,34.875 v2(24.8,34.875) ; DD1.34@31.275,28.95 31.35,28.875 31.563,28.875 31.943,28.875 32.025,28.957 32.025,28.987 32.363,29.325 32.632,29.325 32.9,29.593 v2(32.9,29.675)
  Bottom Layer w0.15: v2(24.8,34.875) 24.8,34.197 26.381,32.617 27.258,32.617 29.425,30.45 29.549,30.326 30.075,29.8 30.075,29.55 30.675,28.95 31.93,28.95 32.305,29.325 32.574,29.325 32.9,29.651 v2(32.9,29.675)
VBAT: C16.1 C23.1 DA7.5 L2.2 R7.1 TP6.1 XS2.2 | length 16.6
  Bottom Layer w1: 9.4,64.75 13.332,64.75 cw(c13.332,63.982) 13.875,64.525 ccw(c14.297,64.947) 14.297,64.35 20.498,64.35 ; C16.1@23.3,62.6 22.294,63.606 ; 20.498,64.35 cw(c20.498,61.81) 22.294,63.606 ; 20.498,64.35 cw(c20.498,61.81) 22.294,63.606
VBUS: C43.1 DA7.4 DA7.8 DD2.5 HL2.1 HL3.1 TP10.1 VD4.1 XS3.A4 XS3.A9 XS3.B4 XS3.B9 | length 16.4
  Top Layer w0.2: XS3.B4@11.03,47.8 ccw(c11.151,47.921) XS3.B4@11.151,47.75 ; XS3.B9@11.03,50.2 cw(c11.151,50.079) XS3.B9@11.151,50.25
  Top Layer w0.3: XS3.A9@12.28,47.75 13.032,47.75 ; XS3.A4@12.28,50.25 13.032,50.25 ; v2(15.75,46.525) 15.75,45.45 DD2.5@15.775,45.45 ; 13.032,47.75 cw(c13.032,46.982) v2(13.575,47.525) ccw(c13.032,46.982) 13.032,47.75 ; 13.032,50.25 ccw(c13.032,51.018) v2(13.575,50.476) cw(c13.032,51.018) 13.032,50.25
  Top Layer w1: TP10.1@11.425,55.35 13.9,55.35 13.9,55.4 ; VD4.1@14.55,55.65 VD4.1@14.95,54.95
  Int2 (PWR) w0.5: XS3.B4@11.03,47.8 12.45,47.8 ; XS3.B9@11.03,50.2 12.15,50.2
  Bottom Layer w0.4: DA7.8@8.9,69.54 v1(8.9,70.7) ; DA7.4@14.3,65.73 v1(15.46,65.73)
  Bottom Layer w0.5: v1(3.6,67.6) 3.6,67.635 5,67.635 ; HL3.1@5,66.9 5,67.635 ; HL2.1@5,68.37 5,67.635
  other v1: 14.9,50.6 13.8,51.9 13.3,53 13.3,54.3 13.3,55.7
VCC_driver: C59.1 C60.1 C61.1 C62.1 C63.1 C64.1 C65.1 C66.1 C67.1 C68.1 C69.1 C70.1 DA18.1 DA19.1 DA20.1 DA21.1 DA22.1 DA23.1 DA24.1 DA25.1 DA26.1 DA27.1 DA28.1 DA29.1 TP8.1 VD2.2 VD3.2 | length 7.7
  Top Layer w1: v1(39,35.8) cw(c40.449,35.8) 39.424,36.824 TP8.1@39.8,37.2 40.307,37.707 ccw(c39.539,38.475) 40.625,38.475 41.051,38.901 cw(c42.075,37.876) v1(42.075,39.325) ccw(c42.075,39.566) 42.246,39.395 v1(43.175,40.325) ; v1(57.035,30.55) C64.1@57.035,31.736
  other v1: 57.135,0.995 84.406,6.421 57.035,6.95 84.406,12.321 57.035,12.85 84.406,18.221 57.035,18.75 84.406,24.121 57.035,24.65 84.406,30.021 84.406,35.921 40.5,38.7
pads on no net: DA8.4 DA12.1 DA12.2 DA12.3 DD1.1 DD1.2 DD1.43 DD3.2 DD3.3 DD4.2 DD4.3 DD4.11 DD5.2 DD5.3 DD6.1 DD6.2 DD6.3 DD6.10 DD6.15 DD7.9 DD7.10 DD8.10 DD9.10 DD10.9 DD10.10 DPY1.15 DPY1.16 DPY1.17 DPY1.18 R23.2 R24.1 R26.1 R32.1 R35.2 R38.1 R44.1 XS3.A2 XS3.A3 XS3.A8 XS3.A10 XS3.A11 XS3.B2 XS3.B3 XS3.B8 XS3.B10 XS3.B11 XS9.2 XS9.3 XS10.4 XS11.3 XS12.2 XS13.1 XS13.4
copper on no net: | length 14.3
  Bottom Layer w0.6: 79.3,67.84 84.925,70.545 ; 79.3,86.54 84.925,80.705

## Polygon pours and split planes (outlines as drawn)
GND on Int2 (PWR) "GND_L03_P026" (solid, pour order 26): 0,0 100,0 100,100 0,100 0,99.975
3V3_P on Int2 (PWR) "3V3_P_L03_P007" (solid, pour order 7): 93.625,2.875 93.625,58.375 90.75,58.375 90.75,54.925 83.275,54.925 83.275,46.475 63.4,46.475 63.4,40.05 86.55,40.05 86.55,2.875
5V on Int2 (PWR) "5V_L03_P012" (solid, pour order 12): 5.175,20.9 0,20.9 0,41.375 18.425,41.375 18.425,50.625 25.55,50.625 25.55,45.35 60.525,45.35 60.525,40.375 38.95,40.375 38.95,21.35 23.15,21.35 23.15,32.375 5.1,32.375
3V3_P on Int2 (PWR) "3V3_P_L03_P009" (solid, pour order 9): 51.825,57.5 85.35,57.5 85.35,52.175 51.825,52.175
3V3_P on Int2 (PWR) "3V3_P_L03_P008" (solid, pour order 8): 46.438,84.825 52.95,84.825 52.95,64.25 61.125,64.25 61.125,60.475 46.413,60.475
HV on Int2 (PWR) "HV_L03_P006" (solid, pour order 6): 34.5,92.75 34.5,43.7 51.5,43.7 51.5,55.675 51.5,57.775 43.575,57.775 43.575,92.775
5V_REF on Int2 (PWR) "5V_REF_L03_P001" (solid, pour order 1): 70.575,61.15 70.575,94.025 57.3,94.025 57.3,91.65 49.4,91.65 49.4,87.725 66.2,87.725 66.2,61.15
5V on Int2 (PWR) "5V_L03_P018" (solid, pour order 18): 64.025,40.375 64.025,50.15 83.8,50.15 83.8,52.775 59.6,52.775 59.6,40.375
VCC_driver on Int2 (PWR) "VCC_DRIVER_L03_P025" (solid, pour order 25): 38.8,40.225 44.05,41.3 44.725,37.875 56.825,37.875 56.825,32.675 38.301,32.675
3V3 on Int2 (PWR) "3V3_L03_P005" (solid, pour order 5): 36.875,18.825 36.875,13.95 25.55,13.95 25.55,7.3 28.375,7.3 28.375,3.125 16.85,3.125 16.85,10.05 3.325,10.05 3.325,17.075 22.275,17.075 22.275,30.575 3.025,30.575 3.025,33.575 31.55,33.575 31.55,37 34.6,37 34.6,28.975 36.825,28.975
HV on Int2 (PWR) "HV_L03_P010" (solid, pour order 10): 83.475,67.525 89.3,67.525 89.3,58.15 51.5,58.15 51.5,56.075 47,56.075 47,59.975 83.475,59.975
VCC_driver on Int2 (PWR) "VCC_DRIVER_L03_P000" (solid, pour order 0): 85.4,36.548 85.4,5.943 57.875,0 55.5,0 55.45,30.425 55.422,39.502
VBUS on Int2 (PWR) "VBUS_L03_P002" (solid, pour order 2): 16.175,46.1 16.175,56.65 10,56.65 10,54.225 11.8,54.225 11.8,46.1
VBUS on Int2 (PWR) "VBUS_L03_P003" (solid, pour order 3): 16.775,56 16.775,71.7 2.275,71.7 2.275,66.2 11.45,66.2 11.45,56
GND on Top Layer "GND_L01_P022" (solid, pour order 22): 0,0 100,0 100,100 0,100
3V3_P on Top Layer "3V3_P_L01_P011" (solid, pour order 11): 49.1,62.4 49.1,55.925 63.825,55.925 57.511,62.4
GND on Bottom Layer "GND_L04_P023" (solid, pour order 23): -0.009,0 100,0 100,100 0,100
5V on Bottom Layer "5V_L04_P015" (solid, pour order 15): 85.863,50.213 85.863,52.175 64.15,52.175 64.15,50.2
5V on Bottom Layer "5V_L04_P016" (solid, pour order 16): 60.825,40.725 60.825,43.3 62.15,43.3 62.15,45.825 65.25,48.225 65.25,50.325 64.15,52.175 60.925,52.175 60.925,44.35 59.175,41.9 58.625,40.725
VCC_driver on Bottom Layer "VCC_DRIVER_L04_P021" (solid, pour order 21): 41.8,41.5 43.725,40.7 43.75,40 39.475,35.4 38.05,34.175 37.15,34.15 37.15,40.5
5V on Bottom Layer "5V_L04_P014" (solid, pour order 14): 99.3,52.725 99.3,45.125 82.15,45.125 82.15,50.375 86.525,50.375 86.525,46.425 92.475,46.425 92.475,52.375 94.775,52.375
GND on Int1 (GND) "GND_L02_P019" (solid, pour order 19): 0,0 100,0 100,100 0,100

## Keep-outs
Keep-Out Layer:
  the board outline again, w0.2

## Other copper
Top Layer:
  region net NetDA12_12: 96.427,76.873 94.912,76.873 94.912,75.731 96.427,75.731
  rectangle net NetDA12_5: 94.9,74.383 96.414,75.525
  region net VCC_driver: 85.21,12.75 82,12.75 82,11.121 85.21,11.121
  rectangle net 5V: 19.15,46.975 24.95,49.575
  region net VCC_driver: 85.21,36.471 81.685,36.471 81.685,34.721 85.21,34.721
  region net VCC_driver: 85.21,30.571 81.685,30.571 81.685,28.821 85.21,28.821
  region net VCC_driver: 85.21,24.65 81.775,24.65 81.775,22.921 85.21,22.921
  region net VCC_driver: 85.21,18.771 81.685,18.771 81.685,17.021 85.21,17.021
  region net VCC_driver: 85.21,6.971 81.685,6.971 81.685,5.221 85.21,5.221
  rectangle net VCC_driver: 54.225,0.445 57.75,2.195
  rectangle net VCC_driver: 54.125,6.4 57.65,8.15
  rectangle net VCC_driver: 54.125,12.3 57.65,14.05
  rectangle net VCC_driver: 54.125,18.2 57.65,19.95
  rectangle net VCC_driver: 54.125,24.1 57.65,25.85
  rectangle net VCC_driver: 54.125,30 57.65,31.75
  rectangle net HV: 40,88.4 41,91.8
  rectangle net NetC14_1: 42,89.8 42.963,91.135
  rectangle net HV: 37,90.6 40.7,91.8
  rectangle net 5V_REF: 50.5,88.7 59,91.8
  rectangle net 5V_REF: 50.5,90.8 57.1,91.8
  rectangle net NetC14_1: 43.1,90.8 48.85,91.8
  rectangle net NetFU1_1: 19.2,52.5 21.6,54.4
  rectangle net NetFU1_1: 18.1,53.8 22.7,56.1
  rectangle net 10V: 91.2,66.4 93.4,66.9
  rectangle net HV: 86.5,66.4 88.8,66.9
  pour cut-out: 33.95,38.625 35.548,38.625 ccw(c35.548,41.165) 37.344,39.369 41.825,43.85 40.353,45.322 ccw(c40.225,45.194) 40.225,45.375
  pour cut-out: 39.775,39.4 41.956,41.581 cw(c43.752,39.785) 43.752,42.325 46.3,42.325 cw(c44.429,42.325) 45.752,41.002 43.15,38.4
  pour cut-out: 37.675,23.85 ccw(c37.675,25.238) 38.657,24.257 44.225,29.825 ccw(c44.104,29.946) 44.275,29.946 44.275,33.425 38.584,27.734 cw(c36.788,29.53) 36.788,26.99 36.248,26.99
  pour cut-out: 27.5,36.45 27.444,36.394 ccw(c29.24,34.598) 26.7,34.598 26.7,30.8 29.772,30.8 ccw(c29.772,32.678) 31.1,31.35 32.356,32.606 ccw(c30.56,34.402) 33.1,34.402 33.1,37.95
  pour cut-out: 32.7,28 35.123,28 ccw(c35.123,30.54) 36.919,28.744 39.725,31.55 ccw(c39.001,32.274) 40.025,32.274 40.025,37.975 39.474,37.975 ccw(c39.474,35.926) 38.025,37.375 37.927,37.277 ccw(c39.723,35.481) 37.183,35.481 37.183,34.883 37.119,34.819 cw(c35.323,36.615) 35.323,34.075 31.8,34.075
  region net GND: 21.775,26.975 22.55,26.9 22.65,25.925 21.775,25.7
  region net VBUS: 15.8,56.2 12.8,56.2 12.8,53 13.328,51.945 13.323,50.417 13.099,50.175 15.8,50.175 15.8,53.8
Int2 (PWR):
  rectangle net GND: 25.075,24.375 30.8,30.1
  pour cut-out: 22.275,30.575 31.725,30.575 31.725,23.475 22.25,23.475
Bottom Layer:
  rectangle net VCC_driver: 37.825,40.475 40,41.075
  rectangle net VCC_driver: 41.625,38.45 42.185,41.34
  rectangle net VCC_driver: 37.15,38.35 41.825,40.5
  rectangle net 3V3: 29.25,20.825 31.125,22.6
  rectangle net 5V: 59.58,41.825 59.8,42.467
  rectangle net 5V: 58.9,40.725 60.275,42.1
  rectangle net 5V: 96.375,50 99.325,51.875
  rectangle net 5V: 92.475,52 93.9,53.325
  rectangle net 5V: 92.475,51.3 99.3,52.725
  rectangle net VBAT: 23.975,62.1 28.25,63.1
  rectangle net NetC34_1: 18.375,58.55 19.8,59.15
  rectangle net NetDA9_1: 51.275,47.075 53.825,49.525
  rectangle net 5V: 52.675,41.1 59.35,42.1
  rectangle net 5V: 52.225,43.025 52.825,43.975
  rectangle net 3V3: 30.6,21 31.3,22.25
  rectangle net 3V3: 33.2,17.6 35.8,18.6
  rectangle net 5V: 2.1,22 3.1,28.1
  rectangle net NetC27_1: 1.8,19.5 11.2,20.5
  rectangle net 3V3REF: 12.8,19.5 16.1,20.5
  pour cut-out: 27.6,39.15 25.296,36.846 ccw(c27.092,35.05) 24.552,35.05 24.552,33.95 25.409,33.094 ccw(c27.205,34.89) 27.205,32.35 28.1,32.35 ccw(c27.798,32.652) 28.225,32.652 28.225,39.125
  region net 3V3_P: 78.05,45.6 78.05,44.375 77.841,41.55 79.55,41.55 79.6,45.6
  region net 3V3REF: 16.625,19.325 22.525,19.25 26.825,22.125 28.623,22.223 27.916,23.075 24.338,23.075 16.625,20.7
  region net NetC34_1: 13.975,63.5 19.791,63.5 19.791,58.55 18.9,58.55 18.9,62.25 13.725,62.25
  region net 5V: 35.65,44.45 33.775,42.775 34.2,41.8 39.425,41.825 39.45,42.9 37.825,43.875
  region net 3V3_P: 89.7,53.175 89.675,48.7 92.35,48.7 92.35,46.35 86.025,46.35 86.025,50.375 84.6,50.375 84.6,53.175
  region net 5V_BAT: 22.2,54.5 27.2,54.5 27.2,55.075 30.125,55.075 30.125,52.05 22.2,52.05
  region net VBAT: 12,62 3.8,62 3.8,63.8 8.4,63.8 8.4,65.7 9.4,65.7 9.4,63.8 12,63.8 12,63.7
  region net HV: 49.8,46.2 48.1,46.2 48.1,44.7 39.425,44.7 39.425,48.164 49.8,49.5
  region net 5V: 50.2,43.025 50.95,43.025 50.95,44.225 48.925,44.225 48.925,43.05
  region net 3V3: 31.125,22.6 33.6,22.6 33.6,18.2 32.925,18.875 32.658,18.875 32.658,20.842 32.575,20.925 30.875,20.925

## Silkscreen, mask and mechanical layers (free items; w line width, h text height)
Top Overlay:
  text "FD_TX" at 56.048,47.3 h1.52 r270
  text "GND" at 81.25,47.125 h1.52 r270
  text "SCL" at 63.825,47.1 h1.52 r270
  text "UART_RX" at 66.198,47.1 h1.52 r270
  text "3V3" at 86.575,47.074 h1.52 r270
  text "FD_RX" at 58.623,47 h1.52 r270
  text "SDA" at 61.125,46.9 h1.52 r270
  text "UART_TX" at 69.223,46.825 h1.52 r270
  text "MISO" at 73.975,46.85 h1.52 r270
  text "MOSI" at 71.25,46.8 h1.52 r270
  text "5V" at 83.85,46.8 h1.52 r270
  text "SCK" at 76.45,46.75 h1.52 r270
  text "CS" at 78.525,46.65 h1.52 r270
  text "3V3" at 32.226,37.625 h1.52
  text "GND" at 35.375,37.575 h1.52
  text "R121...132" at 92.55,36.325 h0.8 r90
  text "C65...70" at 82.525,36.25 h0.8 r90
  text "R109...120" at 47.6,36.15 h0.8 r90
  text "DA24...29" at 88.05,35.975 h0.8 r90
  text "DA18...23" at 51.9,35.875 h0.8 r90
  text "C59...64" at 57.8,35.425 h0.8 r90
  text "R22...45" at 67.025,34.575 h0.8
  text "CLK" at 30,32.35 h1.52
  text "DIO" at 37.8,32.35 h1.52
  text "PWM_3V3" at 21.65,1.848 h1.52
  text "OPT_IN" at 36.4,1.823 h1.52
  text "GND" at 18.55,1.775 h1.52
  text "GND" at 40.525,1.75 h1.52
Bottom Overlay:
  drawing of 165 lines, arcs and shapes, not listed
  text "5V_REF" at 48.575,88.633 h0.8
  text "V_BAT" at 1.867,64.35 h0.8 r90
  text "+" at 7.05,62.533 h1
  text "10V" at 87.925,61.45 h0.8
  text "3.7V" at 5.65,61.15 h1 r90
  text "-" at 6.75,59.625 h1
  text "Сдѣлано въ Россіи" at 79.419,57.886 h3
  text "VBUS" at 10.425,57.1 h0.8
  text "5V_BAT" at 39.7,54.458 h0.8
  text "HV" at 43.6,48.275 h0.8
  text "5V" at 24.7,45.3 h0.8
  text "3V3_P" at 92.65,44.783 h0.8
  text "3V3" at 33.696,37.797 h1.52
  text "GND" at 36.848,37.747 h1.52
  text "VCC_DRIVER" at 45.675,34.333 h0.8
  text "R48...71" at 73.175,34.125 h0.8
  text "CLK" at 31.473,32.522 h1.52
  text "DIO" at 39.273,32.522 h1.52
  text "3V3" at 33.85,19.575 h0.8
  text "3V3_REF" at 23.8,17.133 h0.8

## Text inside footprints (layer, text, board x,y; h text height)
DPY1: Top Overlay "VCC" at 6.887,13.95 h0.8 r90
XS3: Top Overlay "A1" at 12.4,53.05 h0.8 r270; Top Overlay "B1" at 11.25,45.6 h0.8 r270; Top Overlay "A12" at 12.4,45.45 h0.8 r270; Mechanical 13 "A1" at 12.4,53.05 h0.8 r270; Mechanical 13 "A12" at 12.4,45.45 h0.8 r270; Mechanical 13 "B1" at 11.25,45.6 h0.8 r270